# KiCad board Entrex Trapezoid Backplane v17.kicad_pcb
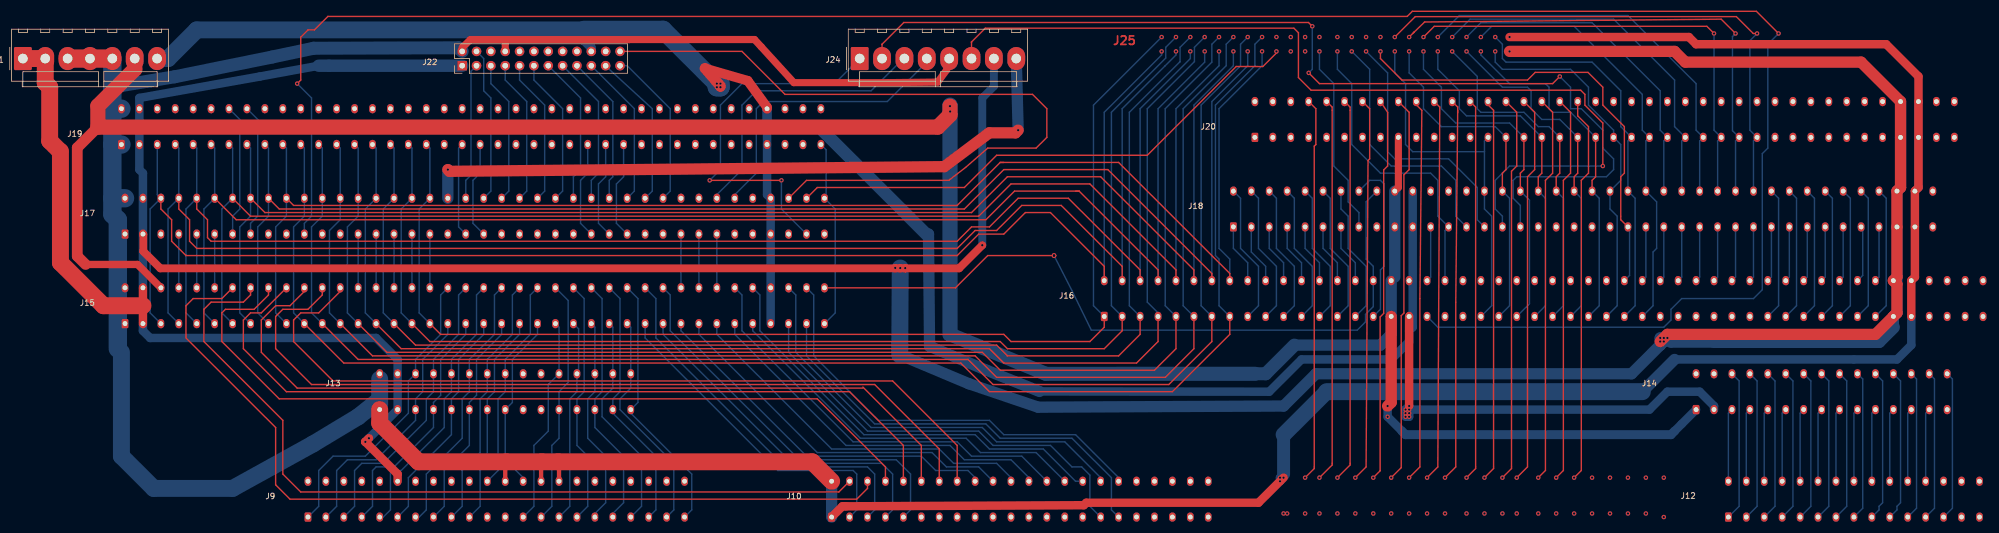
[diagram p0: board, top side]
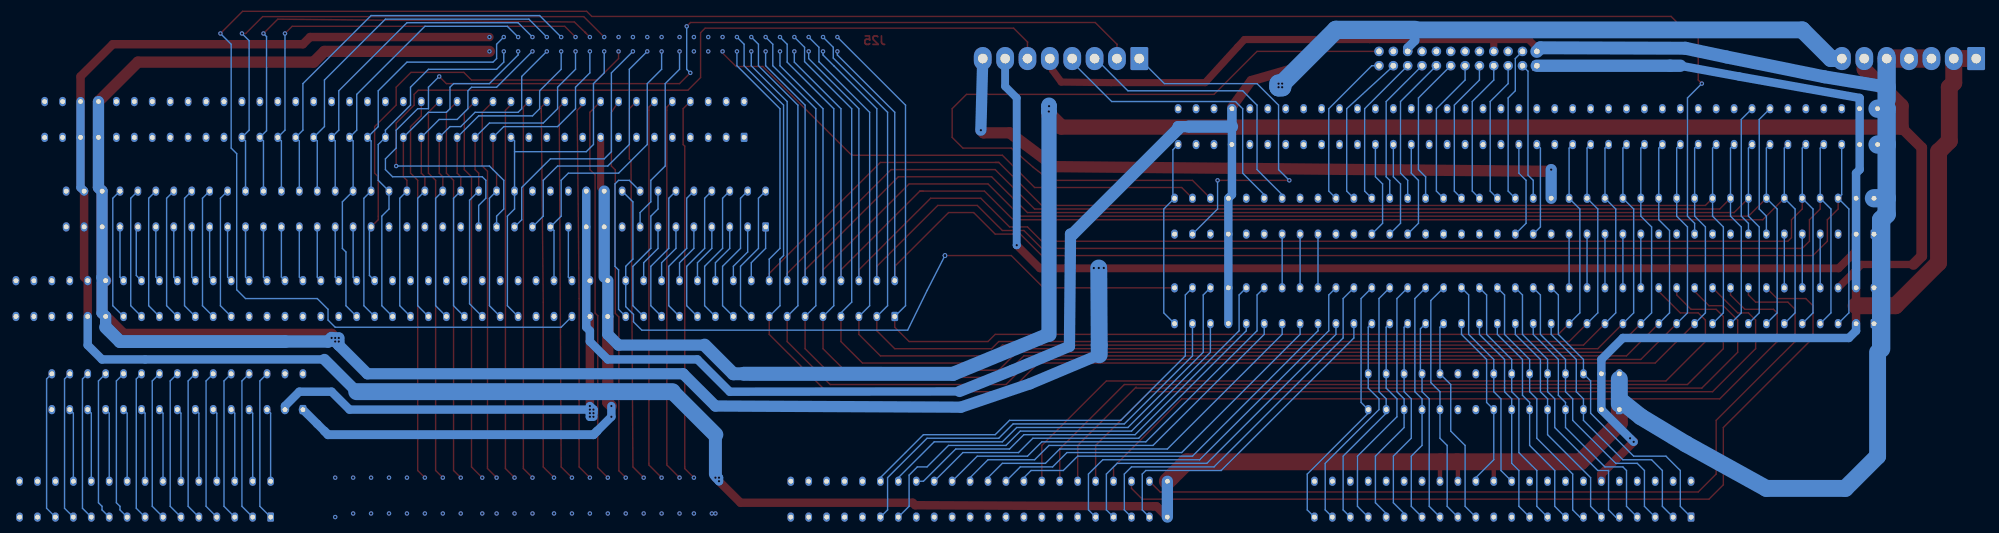
[diagram p1: board, bottom side, seen from below]

No outline. copper layers: Top, Bottom. Coordinates in mm from the lowest, leftmost part position.

## Placement (name value [footprint] x y rotation side)
J9  Conn_02x22_Odd_Even  [Card Edge Socket 0.125in_3.175mm connector 44]  47.29 0 0 top
J10  Conn_02x22_Odd_Even  [Card Edge Socket 0.125in_3.175mm connector 44]  140 0 0 top
J12  Conn_02x15_Odd_Even  [Card Edge Socket 0.125in_3.175mm connector 30]  298.75 0 0 top
J13  Conn_02x15_Odd_Even  [Card Edge Socket 0.125in_3.175mm connector 30]  59.99 19.05 0 top
J14  Conn_02x15_Odd_Even  [Card Edge Socket 0.125in_3.175mm connector 30]  293.03 19.05 0 top
J15  Card Edge Connector  [Card Edge Socket 0.125in_3.175mm connector 80]  14.91 34.29 0 top
J16  Conn_02x50_Odd_Even  [Card Edge Socket 0.125in_3.175mm connector 100]  188.26 35.56 0 top
J17  trapezoid  [Card Edge Socket 0.125in_3.175mm connector 80]  14.91 50.17 0 top
J18  Card Edge Connector  [Card Edge Socket 0.125in_3.175mm connector 80]  211.12 51.44 0 top
J19  trapezoid  [Card Edge Socket 0.125in_3.175mm connector 80]  14.27 66.04 0 top
J20  trapezoid  [Card Edge Socket 0.125in_3.175mm connector 80]  214.93 67.31 0 top
J21  Conn_01x07_Pin  [Molex_KK-396_A-41791-0007_1x07_P3.96mm_Vertical]  0 81.28 0 top
J22  Conn_02x12_Odd_Even  [PinSocket_2x12_P2.54mm_Vertical]  76.18 80.01 0 top
J24  Conn_01x08_Pin  [Molex_KK-396_A-41791-0008_1x08_P3.96mm_Vertical]  148.14 81.28 0 top

## Library data of the parts
J9 J10 = -: Description: Generic connector, double row, 02x22, odd/even pin numbering scheme (row 1 odd numbers, row 2 even numbers), script generated (kicad-library-utils/schlib/autogen/connector/)
J12-J14 = -: Description: Generic connector, double row, 02x15, odd/even pin numbering scheme (row 1 odd numbers, row 2 even numbers), script generated (kicad-library-utils/schlib/autogen/connector/)
J15-J20 = -: Description: Generic connector, double row, 02x40, odd/even pin numbering scheme (row 1 odd numbers, row 2 even numbers), script generated (kicad-library-utils/schlib/autogen/connector/)
J21 = -: Description: Generic connector, single row, 01x07, script generated
J22 = -: Description: Generic connector, double row, 02x12, odd/even pin numbering scheme (row 1 odd numbers, row 2 even numbers), script generated (kicad-library-utils/schlib/autogen/connector/)
J24 = -: Description: Generic connector, single row, 01x08, script generated

## Footprints (pads in the part's own frame, mm; a bottom-side part is the same pattern mirrored in y, then rotated)
Card Edge Socket 0.125in_3.175mm connector 30
  rrect 1.2x1.65 hole 0.85: 1(3.175,0)
  oval 1.2x1.65 hole 0.85: 2(3.175,6.35) 3(6.35,0) 4(6.35,6.35) 5(9.525,0) 6(9.525,6.35) 7(12.7,0) 8(12.7,6.35) 9(15.875,0) 10(15.875,6.35) 11(19.05,0) 12(19.05,6.35) 13(22.225,0) 14(22.225,6.35) 15(25.4,0) 16(25.4,6.35) 17(28.575,0) 18(28.575,6.35) 19(31.75,0) 20(31.75,6.35) 21(34.925,0) 22(34.925,6.35) 23(38.1,0) 24(38.1,6.35) 25(41.275,0) 26(41.275,6.35) 27(44.45,0) 28(44.45,6.35) 29(47.625,0) 30(47.625,6.35)
Card Edge Socket 0.125in_3.175mm connector 44
  rrect 1.2x1.65 hole 0.85: 1(3.175,0)
  oval 1.2x1.65 hole 0.85: 2(3.175,6.35) 3(6.35,0) 4(6.35,6.35) 5(9.525,0) 6(9.525,6.35) 7(12.7,0) 8(12.7,6.35) 9(15.875,0) 10(15.875,6.35) 11(19.05,0) 12(19.05,6.35) 13(22.225,0) 14(22.225,6.35) 15(25.4,0) 16(25.4,6.35) 17(28.575,0) 18(28.575,6.35) 19(31.75,0) 20(31.75,6.35) 21(34.925,0) 22(34.925,6.35) 23(38.1,0) 24(38.1,6.35) 25(41.275,0) 26(41.275,6.35) 27(44.45,0) 28(44.45,6.35) 29(47.625,0) 30(47.625,6.35) 31(50.8,0) 32(50.8,6.35) 33(53.975,0) 34(53.975,6.35) 35(57.15,0) 36(57.15,6.35) 37(60.325,0) 38(60.325,6.35) 39(63.5,0) 40(63.5,6.35) 41(66.675,0) 42(66.675,6.35) 43(69.85,0) 44(69.85,6.35)
Card Edge Socket 0.125in_3.175mm connector 80
  rrect 1.2x1.65 hole 0.85: 1(3.175,0)
  oval 1.2x1.65 hole 0.85: 2(3.175,6.35) 3(6.35,0) 4(6.35,6.35) 5(9.525,0) 6(9.525,6.35) 7(12.7,0) 8(12.7,6.35) 9(15.875,0) 10(15.875,6.35) 11(19.05,0) 12(19.05,6.35) 13(22.225,0) 14(22.225,6.35) 15(25.4,0) 16(25.4,6.35) 17(28.575,0) 18(28.575,6.35) 19(31.75,0) 20(31.75,6.35) 21(34.925,0) 22(34.925,6.35) 23(38.1,0) 24(38.1,6.35) 25(41.275,0) 26(41.275,6.35) 27(44.45,0) 28(44.45,6.35) 29(47.625,0) 30(47.625,6.35) 31(50.8,0) 32(50.8,6.35) 33(53.975,0) 34(53.975,6.35) 35(57.15,0) 36(57.15,6.35) 37(60.325,0) 38(60.325,6.35) 39(63.5,0) 40(63.5,6.35) 41(66.675,0) 42(66.675,6.35) 43(69.85,0) 44(69.85,6.35) 45(73.025,0) 46(73.025,6.35) 47(76.2,0) 48(76.2,6.35) 49(79.375,0) 50(79.375,6.35) 51(82.55,0) 52(82.55,6.35) 53(85.725,0) 54(85.725,6.35) 55(88.9,0) 56(88.9,6.35) 57(92.075,0) 58(92.075,6.35) 59(95.25,0) 60(95.25,6.35) 61(98.425,0) 62(98.425,6.35) 63(101.6,0) 64(101.6,6.35) 65(104.775,0) 66(104.775,6.35) 67(107.95,0) 68(107.95,6.35) 69(111.125,0) 70(111.125,6.35) 71(114.3,0) 72(114.3,6.35) 73(117.475,0) 74(117.475,6.35) 75(120.65,0) 76(120.65,6.35) 77(123.825,0) 78(123.825,6.35) 79(127,0) 80(127,6.35)
Card Edge Socket 0.125in_3.175mm connector 100
  rrect 1.2x1.65 hole 0.85: 1(3.175,0)
  oval 1.2x1.65 hole 0.85: 2(3.175,6.35) 3(6.35,0) 4(6.35,6.35) 5(9.525,0) 6(9.525,6.35) 7(12.7,0) 8(12.7,6.35) 9(15.875,0) 10(15.875,6.35) 11(19.05,0) 12(19.05,6.35) 13(22.225,0) 14(22.225,6.35) 15(25.4,0) 16(25.4,6.35) 17(28.575,0) 18(28.575,6.35) 19(31.75,0) 20(31.75,6.35) 21(34.925,0) 22(34.925,6.35) 23(38.1,0) 24(38.1,6.35) 25(41.275,0) 26(41.275,6.35) 27(44.45,0) 28(44.45,6.35) 29(47.625,0) 30(47.625,6.35) 31(50.8,0) 32(50.8,6.35) 33(53.975,0) 34(53.975,6.35) 35(57.15,0) 36(57.15,6.35) 37(60.325,0) 38(60.325,6.35) 39(63.5,0) 40(63.5,6.35) 41(66.675,0) 42(66.675,6.35) 43(69.85,0) 44(69.85,6.35) 45(73.025,0) 46(73.025,6.35) 47(76.2,0) 48(76.2,6.35) 49(79.375,0) 50(79.375,6.35) 51(82.55,0) 52(82.55,6.35) 53(85.725,0) 54(85.725,6.35) 55(88.9,0) 56(88.9,6.35) 57(92.075,0) 58(92.075,6.35) 59(95.25,0) 60(95.25,6.35) 61(98.425,0) 62(98.425,6.35) 63(101.6,0) 64(101.6,6.35) 65(104.775,0) 66(104.775,6.35) 67(107.95,0) 68(107.95,6.35) 69(111.125,0) 70(111.125,6.35) 71(114.3,0) 72(114.3,6.35) 73(117.475,0) 74(117.475,6.35) 75(120.65,0) 76(120.65,6.35) 77(123.825,0) 78(123.825,6.35) 79(127,0) 80(127,6.35) 81(130.175,0) 82(130.175,6.35) 83(133.35,0) 84(133.35,6.35) 85(136.525,0) 86(136.525,6.35) 87(139.7,0) 88(139.7,6.35) 89(142.875,0) 90(142.875,6.35) 91(146.05,0) 92(146.05,6.35) 93(149.225,0) 94(149.225,6.35) 95(152.4,0) 96(152.4,6.35) 97(155.575,0) 98(155.575,6.35) 99(158.75,0) 100(158.75,6.35)
Molex_KK-396_A-41791-0007_1x07_P3.96mm_Vertical
  rrect 3.16x4.1 hole 1.7: 1(0,0)
  oval 3.16x4.1 hole 1.7: 2(3.96,0) 3(7.92,0) 4(11.88,0) 5(15.84,0) 6(19.8,0) 7(23.76,0)
Molex_KK-396_A-41791-0008_1x08_P3.96mm_Vertical
  rrect 3.16x4.1 hole 1.7: 1(0,0)
  oval 3.16x4.1 hole 1.7: 2(3.96,0) 3(7.92,0) 4(11.88,0) 5(15.84,0) 6(19.8,0) 7(23.76,0) 8(27.72,0)
PinSocket_2x12_P2.54mm_Vertical
  rect 1.7x1.7 hole 1: 1(1.587,0)
  oval 1.7x1.7 hole 1: 2(1.587,2.54) 3(4.128,0) 4(4.128,2.54) 5(6.668,0) 6(6.668,2.54) 7(9.207,0) 8(9.207,2.54) 9(11.748,0) 10(11.748,2.54) 11(14.287,0) 12(14.287,2.54) 13(16.828,0) 14(16.828,2.54) 15(19.367,0) 16(19.367,2.54) 17(21.907,0) 18(21.907,2.54) 19(24.448,0) 20(24.448,2.54) 21(26.988,0) 22(26.988,2.54) 23(29.527,0) 24(29.527,2.54)

## Nets
+5v_VCC: J9.12 J13.3 J13.4 J15.3 J15.4 J16.89 J16.90 J17.3 J17.4 J18.75 J18.76 J19.3 J19.4 J20.73 J20.74 J21.1 J21.2 J22.1 J24.7
+12v: J14.1 J15.6 J16.33 J16.34 J18.19 J18.20 J20.17 J21.6
-12v: J14.3 J15.73 J15.74 J16.35 J16.36 J17.73 J17.74 J18.21 J18.22 J19.73 J19.74 J21.7 J22.20
GND: J9.24 J9.28 J9.30 J10.1 J10.2 J13.1 J13.2 J15.1 J15.2 J16.91 J16.92 J17.1 J17.2 J18.77 J18.78 J19.1 J19.2 J20.75 J20.76 J21.3 J21.4 J21.5 J22.2 J22.8 J24.5
Composite_Video: J18.31 J24.6
J9_1: J9.1 J13.6 J15.38
J9_2: J9.2
J9_3: J9.3 J13.5 J15.37
J9_4: J9.4
J9_5: J9.5 J13.8 J15.40
J9_6: J9.6
J9_7: J9.7 J13.7 J15.39
J9_8: J9.8
J9_9: J9.9 J13.10 J15.42
J9_10: J9.10
J9_11: J9.11 J13.9 J15.41
J9_13: J9.13 J13.12 J15.44
J9_14: J9.14
J9_15: J9.15 J13.11 J15.43
J9_16: J9.16
J9_17: J9.17 J13.14 J15.46
J9_18: J9.18
J9_19: J9.19 J13.13 J15.45
J9_20: J9.20
J9_21: J9.21
J9_22: J9.22 J13.16 J15.48
J9_23: J9.23
J9_25: J9.25 J13.22 J15.49
J9_26: J9.26 J13.15 J15.47
J9_27: J9.27 J13.21 J15.50
J9_29: J9.29 J13.24 J15.51
J9_31: J9.31 J13.23 J15.52
J9_32: J9.32
J9_33: J9.33 J13.26 J15.53
J9_34: J9.34
J9_35: J9.35 J13.25 J15.54
J9_36: J9.36
J9_37: J9.37 J13.28 J15.55
J9_38: J9.38
J9_39: J9.39 J13.27 J15.56
J9_40: J9.40
J9_41: J9.41 J13.30 J15.57
J9_42: J9.42
J9_43: J9.43 J13.29 J15.58
J9_44: J9.44
J10_3_Prntr: J10.3 J15.59
J10_4_Prntr: J10.4 J15.16
J10_5_Prntr: J10.5 J15.60
J10_6_Prntr: J10.6 J15.14
J10_7_Prntr: J10.7 J15.61
J10_8_Prntr: J10.8 J15.18
J10_9_Prntr: J10.9 J15.62
J10_10_Prntr: J10.10 J15.20
J10_11: J10.11
J10_12_Prntr: J10.12 J15.22
J10_13: J10.13
J10_14_Prntr: J10.14 J15.24
J10_15: J10.15
J10_16_Prntr: J10.16 J15.26
J10_17: J10.17
J10_18_Prntr: J10.18 J15.63
J10_19: J10.19
J10_20_Prntr: J10.20 J15.65
J10_21: J10.21
J10_22_Prntr: J10.22 J15.67
J10_23: J10.23
J10_24_Prntr: J10.24 J15.69
J10_25: J10.25
J10_26_Prntr: J10.26 J15.70
J10_27: J10.27
J10_28_Prntr: J10.28 J15.71
J10_29: J10.29
J10_30_Prntr: J10.30 J15.72
J10_31_Prntr: J10.31 J15.75
J10_32_Prntr: J10.32 J15.76
J10_33_Prntr: J10.33 J15.77
J10_34_Prntr: J10.34 J15.78
J10_35: J10.35
J10_36: J10.36
J10_37: J10.37
J10_38: J10.38
J10_39: J10.39
J10_40: J10.40
J10_41: J10.41
J10_42: J10.42
J10_43: J10.43
J10_44: J10.44
J12_1: J12.1 J14.6
J12_2: J12.2 J14.5
J12_3: J12.3 J14.8
J12_4: J12.4 J14.7
J12_5: J12.5 J14.10
J12_6: J12.6 J14.9
J12_7: J12.7 J14.12
J12_8: J12.8 J14.11
J12_9: J12.9 J14.14
J12_10: J12.10 J14.13
J12_11: J12.11 J14.16
J12_12: J12.12 J14.15
J12_13: J12.13 J14.18
J12_14: J12.14 J14.17
J12_15: J12.15 J14.20
J12_16: J12.16 J14.19
J12_17: J12.17 J14.22
J12_18: J12.18 J14.21
J12_19: J12.19 J14.24
J12_20: J12.20 J14.23
J12_21: J12.21 J14.26
J12_22: J12.22 J14.25
J12_23: J12.23 J14.28
J12_24: J12.24 J14.27
J12_25: J12.25 J14.30
J12_26: J12.26
J12_27: J12.27
J12_28: J12.28
J12_29: J12.29
J12_30: J12.30
J13_17: J13.17
J13_18: J13.18
J13_19: J13.19
J13_20: J13.20
J14_2: J14.2
J14_4: J14.4
J14_29: J14.29
J16_37: J16.37 J17.21
J16_39: J16.39
J16_41: J16.41
J16_42: J16.42
J16_44: J16.44
J16_46: J16.46
J16_48: J16.48
J16_50: J16.50
J16_52: J16.52
J16_54: J16.54
J16_56: J16.56
J16_58: J16.58
J16_63: J16.63
J16_65: J16.65
J16_67: J16.67
J16_69: J16.69
J16_71: J16.71
J16_73: J16.73
J16_93: J16.93
J16_94: J16.94
J16_95: J16.95
J16_96: J16.96
J16_97: J16.97
J16_98: J16.98
J16_99: J16.99
J16_100: J16.100
J17_5: J17.5
J17_6: J15.5 J16.2 J17.6 J19.5
J17_7: J15.8 J17.7
J17_8: J15.7 J16.4 J17.8 J19.7
J17_9: J15.10 J17.9
J17_10: J15.9 J16.6 J17.10 J19.9
J17_11: J15.12 J17.11
J17_12: J15.11 J16.8 J17.12 J19.11
J17_13: J17.13 J19.14
J17_14: J15.13 J16.10 J17.14 J19.13
J17_15: J17.15 J19.16
J17_16: J15.15 J16.12 J17.16 J19.15
J17_17: J17.17
J17_18: J15.17 J16.14 J17.18 J19.17
J17_19: J17.19
J17_20: J15.19 J16.16 J17.20 J19.19
J17_22: J15.21 J16.15 J17.22 J19.21
J17_23: J17.23
J17_24: J15.23 J16.13 J17.24 J19.23
J17_25: J17.25
J17_26: J15.25 J16.11 J17.26 J19.25
J17_27: J15.28 J17.27
J17_28: J15.27 J16.9 J17.28 J19.27
J17_29: J15.30 J17.29
J17_30: J15.29 J16.7 J17.30 J19.29
J17_31: J15.32 J17.31
J17_32: J15.31 J16.5 J17.32 J19.31
J17_33: J15.34 J17.33
J17_34: J15.33 J16.3 J17.34 J19.33
J17_35: J15.36 J17.35
J17_36: J15.35 J16.1 J17.36 J19.35
J17_37: J17.37
J17_39: J17.39 J19.39
J17_41: J17.41 J19.41
J17_43: J17.43
J17_45: J17.45
J17_47: J17.47
J17_49: J17.49
J17_51: J17.51
J17_53: J17.53 J19.53
J17_55: J17.55 J19.55
J17_57: J17.57 J19.57
J17_59: J17.59
J17_61: J17.61
J17_63: J15.64 J17.63
J17_64: J17.64
J17_65: J15.66 J17.65
J17_66: J17.66
J17_67: J15.68 J17.67
J17_69: J17.69
J17_71: J17.71
J17_72: J17.72
J17_75: J17.75
J17_78: J17.78
J17_79: J17.79
J17_80: J15.79 J17.80 J19.79
J18_1: J16.18 J18.1
J18_2: J16.17 J18.2
J18_3: J16.20 J18.3
J18_4: J16.19 J18.4
J18_5: J16.22 J18.5
J18_6: J16.21 J18.6
J18_7: J16.24 J18.7
J18_8: J16.23 J18.8
J18_9: J16.26 J18.9
J18_10: J16.25 J18.10
J18_11: J16.28 J18.11
J18_12: J16.27 J18.12
J18_13: J16.30 J18.13
J18_14: J16.29 J18.14
J18_15: J18.15
J18_16: J16.31 J18.16
J18_17: J18.17
J18_18: J15.80 J16.32 J18.18
J18_23: J16.38 J18.23
J18_24: J18.24
J18_25: J16.40 J18.25
J18_26: J18.26
J18_27: J18.27
J18_28: J18.28
J18_29: J18.29
J18_30: J16.43 J18.30 J20.27
J18_32: J16.45 J18.32 J20.29
J18_34: J16.47 J18.34 J20.31
J18_35: J18.35
J18_36: J16.49 J18.36 J20.33
J18_37: J18.37
J18_38: J16.51 J18.38 J20.35
J18_39: J18.39
J18_40: J16.53 J18.40 J20.37
J18_41: J18.41
J18_42: J16.55 J18.42 J20.39
J18_43: J18.43
J18_44: J16.57 J18.44 J20.41
J18_45: J16.60 J18.45
J18_46: J16.59 J18.46 J20.43
J18_47: J16.62 J18.47
J18_48: J16.61 J18.48 J20.45
J18_49: J16.64 J18.49
J18_50: J18.50 J20.47
J18_51: J16.66 J18.51
J18_52: J18.52 J20.49
J18_53: J16.68 J18.53
J18_54: J18.54 J20.51
J18_55: J16.70 J18.55
J18_56: J18.56 J20.53
J18_57: J16.72 J18.57
J18_58: J18.58 J20.55
J18_59: J16.74 J18.59
J18_60: J18.60 J20.57
J18_61: J16.76 J18.61
J18_62: J16.75 J18.62
J18_63: J16.78 J18.63
J18_64: J16.77 J18.64
J18_65: J16.80 J18.65
J18_66: J16.79 J18.66
J18_67: J16.82 J18.67
J18_68: J16.81 J18.68
J18_69: J16.84 J18.69
J18_70: J16.83 J18.70
J18_71: J16.86 J18.71
J18_72: J16.85 J18.72
J18_73: J16.88 J18.73
J18_74: J16.87 J18.74
J18_79: J18.79
J18_80: J18.80
J19_6: J19.6
J19_8: J19.8
J19_10: J19.10
J19_12: J19.12
J19_18: J19.18
J19_20: J19.20
J19_22: J19.22
J19_24: J19.24
J19_26: J19.26
J19_28: J19.28
J19_30: J19.30
J19_32: J19.32
J19_34: J19.34
J19_36: J19.36
J19_37: J19.37
J19_38: J19.38
J19_40: J19.40
J19_42: J19.42
J19_43: J19.43
J19_44: J19.44
J19_45: J19.45
J19_46: J19.46
J19_47: J19.47
J19_48: J19.48
J19_49: J19.49
J19_50: J19.50
J19_51: J19.51
J19_52: J19.52
J19_54: J19.54
J19_56: J19.56
J19_58: J19.58
J19_59: J19.59
J19_60: J19.60
J19_61: J19.61
J19_62: J19.62
J19_63: J19.63
J19_64: J19.64
J19_65: J19.65
J19_66: J19.66
J19_67: J19.67
J19_68: J19.68
J19_69: J19.69
J19_70: J19.70
J19_71: J19.71
J19_72: J19.72
J19_75: J19.75
J19_76: J19.76
J19_77: J19.77
J19_78: J19.78
J19_80: J19.80
J20_1: J20.1
J20_2: J20.2
J20_3: J20.3
J20_4: J20.4
J20_5: J20.5
J20_6: J20.6
J20_7: J20.7
J20_8: J20.8
J20_9: J20.9
J20_10: J20.10
J20_11: J20.11
J20_12: J20.12
J20_13: J20.13
J20_14: J20.14
J20_15: J20.15
J20_16: J20.16
J20_18: J20.18
J20_19: J20.19
J20_20: J20.20
J20_21: J20.21
J20_22: J20.22
J20_23: J20.23
J20_24: J20.24
J20_25: J20.25
J20_26: J20.26
J20_28: J20.28
J20_30: J20.30
J20_32: J20.32
J20_34: J20.34
J20_36: J20.36
J20_38: J20.38
J20_40: J20.40
J20_42: J20.42
J20_44: J20.44
J20_46: J20.46
J20_48: J20.48
J20_50: J20.50
J20_52: J20.52
J20_54: J20.54
J20_56: J20.56
J20_58: J20.58
J20_59: J20.59
J20_60: J20.60
J20_61: J20.61
J20_62: J20.62
J20_63: J20.63
J20_64: J20.64
J20_65: J20.65
J20_66: J20.66
J20_67: J20.67
J20_68: J20.68
J20_69: J20.69
J20_70: J20.70
J20_71: J20.71
J20_72: J20.72
J20_77: J20.77
J20_78: J20.78
J20_79: J20.79
J20_80: J20.80
J22_1_Keybd: J17.54 J22.15
J22_3_Keybd: J17.40 J22.3
J22_4_Keybd: J17.42 J22.4
J22_5_Keybd: J17.44 J22.5
J22_6: J22.6
J22_7_Keybd: J17.46 J22.7
J22_9_Keybd: J17.48 J22.9
J22_10: J22.10
J22_11_Keybd: J17.50 J22.11
J22_12: J22.12
J22_13_Keybd: J17.52 J22.13
J22_14: J22.14
J22_16: J22.16
J22_17_Keybd: J17.56 J22.17
J22_18: J22.18
J22_19_Keybd: J17.58 J22.19
J22_21_Keybd: J17.60 J22.21
J22_22: J22.22
J22_23_Keybd: J17.62 J22.23
J22_24_Keybd: J17.76 J22.24
J24_1-NC: J17.77 J24.1
J24_2-NC: J18.33 J24.2
J24_3-unk-vid-9: J17.68 J24.3
J24_4-unk-vid-6: J17.70 J24.4
Speaker_POT: J17.38 J24.8

## Via types
v1: diameter 0.8, hole 0.4, Top to Bottom, 139 vias

## Routing (per net, layer and track width the routed paths; a pad name or vN(x,y) marks a point on that pad's centre or on a via; arc(x,y) is an arc through that point)
+5v_VCC: length 819.6
  Top w1.4: v1(169.84,48.19) 165.74,44.09 156.25,44.09 v1(156.2,44.14) 156.15,44.09 155.38,44.09 v1(155.32,44.15) 155.26,44.09 154.5,44.09 v1(154.43,44.16) 154.36,44.09 24.34,44.09 21.32,47.11 21.32,50.1 J17.3
  Top w1.5: J9.12 66.34,7.62 v1(60.62,13.34) v1(61.26,13.97) ; J15.4 J15.3
  Top w2: v1(263.19,82.55) 292.4,82.55 294.3,80.65 325.42,80.65 J20.74 332.4,58.42 331.77,57.79 J18.75 331.77,42.55 J16.90 331.77,41.28 331.77,36.2 J16.89 327.96,32.39 291.13,32.39 v1(289.86,31.12)
  Top w3: 6.58,64.84 4.75,66.68 4.75,76.2 3.96,76.99 J21.2 J21.1 ; 6.65,64.84 6.65,45.09 14.27,37.47 21.25,37.47
  Bottom w1.4: 169.84,48.19 v1(169.84,48.19) 169.84,48.2 169.84,74.3 171.9,76.35 J24.7
  Bottom w1.5: J15.3 21.25,33.02 22.53,31.75 62.53,31.75 66.34,27.94 J13.4 J13.3 v1(60.62,13.34) ; 52.37,80.01 41.91,78.09 20.62,74.3 20.62,61.6 21.25,60.96 J15.4
  Bottom w2: v1(290.5,31.12) v1(290.5,31.75) v1(291.13,31.75) ; v1(290.5,31.12) v1(289.86,31.75) v1(289.86,31.12) 289.86,30.48 ; v1(290.5,31.12) 289.86,30.48 ; 331.13,33.66 J16.89 331.77,36.2 331.77,42.49 ; 331.77,42.49 331.19,41.91 ; 331.77,42.49 331.77,57.79 332.4,58.42 J20.73 J20.74 ; 289.86,30.48 284.78,25.4 228.9,25.4 223.19,19.69 179.72,19.48 167.48,23.63 155.24,28.77
  Bottom w2.2: 299.38,31.12 291.76,31.12 v1(291.13,31.75) ; J22.1 52.37,80.01
  Bottom w2.3: 331.13,33.66 328.6,31.12 299.38,31.12
  Bottom w3: 155.24,28.77 155.24,30.48 v1(155.32,44.15)
+12v: length 444
  Top w1.27: 243.51,67.31 243.51,58.42 242.87,57.79
  Top w1.3: J15.6 20.29,44.78 11.1,44.78
  Top w1.905: 11.1,44.78 9.63,46.25 9.63,65.48 13.28,69.13
  Top w2: 242.23,35.56 242.23,20.32 v1(241.6,19.69)
  Top w2.7: J21.6 19.8,79.39 13.28,72.87 13.28,69.13 161.96,69.13 164.12,71.29 v1(164.12,72.84)
  Bottom w0.25: 242.87,42.55 242.23,41.91
  Bottom w1.5: 244.14,15.24 v1(241.6,17.78) v1(241.6,19.69) ; 292.4,15.24 J14.1
  Bottom w1.59: 244.14,15.24 244.78,14.61 291.76,14.61 292.4,15.24
  Bottom w2: 242.23,41.91 242.23,32.39 240.33,30.48 225.09,30.48 ; 242.87,57.79 242.87,42.55
  Bottom w2.3: 225.09,30.48 220.01,25.4 218.1,25.4
  Bottom w2.5: 218.1,25.4 181.11,25.39 164.13,32.39
  Bottom w2.7: 164.13,73.03 164.13,72.85 v1(164.12,72.84) 164.13,72.83 164.13,71.92 v1(164.16,71.89) 164.13,71.86 164.13,32.39
-12v: length 419.3
  Top w1.5: v1(245.41,19.69) J16.35
  Top w1.7: 120.76,79.54 128.32,77.35 131.75,72.65 J19.74 ; 123.49,76.4 v1(123.49,76.2)
  Top w1.905: 120.76,79.54 123.49,76.4
  Bottom w1.5: v1(244.78,19.05) v1(245.41,19.05) 287.96,19.05 291.13,22.23 296.85,22.23 299.38,19.69 J14.3 ; v1(244.78,19.05) v1(244.78,18.42) v1(245.41,18.42) v1(245.41,17.78) v1(244.78,17.78) ; v1(244.78,19.05) v1(245.41,19.69) ; 246.04,57.79 J18.21 246.04,33.66 245.41,33.02 245.41,31.12 242.23,27.94 226.36,27.94 220.65,22.23 179.96,22.27 ; J15.73 J15.74 J17.73 J17.74 131.75,57.15 J19.73 131.75,69.22
  Bottom w1.6: J22.20 100.63,83.19 99.36,84.46 99.36,86.36
  Bottom w1.7: J19.74 131.75,69.22
  Bottom w2: 179.96,22.27 170.64,26.01 160.51,30.27 160.32,50.17 159.92,50.17 ; 141.27,68.81 141.27,69.22 139.36,69.22
  Bottom w2.2: 141.27,68.81 159.92,50.17 ; 131.75,69.22 139.36,69.22
  Bottom w3: 99.36,86.36 30.78,86.36 25.7,81.28 J21.7
  Bottom w3.25: v1(122.86,76.84) 113.33,86.36 99.36,86.36 ; v1(122.86,76.84) v1(122.86,76.2) v1(123.49,76.2) v1(123.49,76.84) v1(122.86,76.84)
GND: length 757.6
  Top w0.25: 91.74,9.66 91.88,9.8 ; 94.91,9.65 94.76,9.8 ; 85.39,9.63 85.56,9.8
  Top w0.762: J9.28 91.74,9.66 ; J9.24 85.39,9.63 ; J9.30 94.91,9.65
  Top w1.27: J24.5 163.52,79.24 161.96,77.11 153.14,77.01 136.49,77.01 130.73,83.34 129.53,84.65 107.36,84.65 ; 107.36,84.65 107.35,84.64 ; 107.36,84.65 85.39,84.65 ; 85.39,84.65 J22.8 ; 85.39,84.65 79.24,84.65 77.77,83.19 J22.2
  Top w1.5: J16.91 J16.92 334.95,42.55 J18.77 334.95,57.79 335.58,58.42 J20.76 335.58,78.11 329.87,83.82 296.21,83.82 294.94,85.09 v1(263.19,85.09) ; 143.17,0 145.08,1.91 145.72,1.91 187.82,2.1 188.26,2.54 218.74,2.54 v1(223.19,6.99)
  Top w3: 143.17,6.35 139.72,9.8 70.02,9.8 63.16,16.66 J13.1
  Top w3.25: J21.5 J21.3
  Bottom w0.25: 16.81,34.29 J15.1 ; 15.84,74 15.84,72.39 ; 16.81,29.85 17.44,29.21 ; 62.53,20.32 62.53,19.69 J13.1 ; J15.2 16.81,40.64 ; J17.1 16.81,50.17
  Bottom w1.5: J20.76 J20.75 335.58,58.42 334.95,57.79 ; 223.19,7.62 v1(222.55,6.99) v1(222.55,6.35) v1(223.19,6.99) ; 292.4,27.94 331.77,27.94 334.31,30.48 J16.91
  Bottom w2: 292.4,27.94 286.69,22.23 ; 143.17,0 143.17,6.35
  Bottom w2.3: 223.19,14.61 223.19,7.62 ; J22.2 77.14,83.19 51.48,83.11 44.17,81.56 26.87,78.05 15.88,76.24 15.84,76.2
  Bottom w2.8: 230.8,22.23 223.19,14.61
  Bottom w3: 63.16,20 63.16,24.45 ; 62.53,20.32 59.36,17.78 51.35,12.95 37.13,5.08 23.16,5.08 17.44,10.8 17.44,29.21 ; 286.69,22.23 230.8,22.23
  Bottom w3.25: 15.84,66.04 15.84,72.39 J19.2 ; 15.84,66.04 15.84,56.52 ; 15.84,66.04 J19.1 ; 15.84,56.52 J17.2 ; 15.84,56.52 15.84,53.68 16.81,52.71 16.81,29.85 ; 15.84,74 J21.5
(no net):
  vias: v1(221.91,85.09) v1(223.19,0.64) v1(223.82,0.64) v1(224.46,85.09) v1(224.46,82.55) v1(227,85.09) v1(227,82.55) v1(227,0.64) v1(229.53,85.09) v1(229.53,0.64) v1(232.71,85.09) v1(232.71,0.64) v1(235.25,85.09) v1(235.89,0.64) v1(237.79,85.09) v1(239.06,0.64) v1(240.33,85.09) v1(242.23,0.64) v1(245.41,0.64) v1(248.59,0.64) v1(251.76,0.64) v1(255.57,0.64) v1(258.75,0.64) v1(261.92,0.64) v1(264.46,0.64) v1(268.27,0.64) v1(271.45,0.64) v1(274.62,0.64) v1(277.79,6.99) v1(277.79,0.64) v1(280.97,6.99) v1(280.97,0.64) v1(284.14,6.99) v1(284.14,0.64) v1(287.32,6.99) v1(287.32,0.64) v1(290.5,6.99) v1(290.5,0)